# Altium PCB PCB7b.PcbDoc (part 1 of 2) (continued)
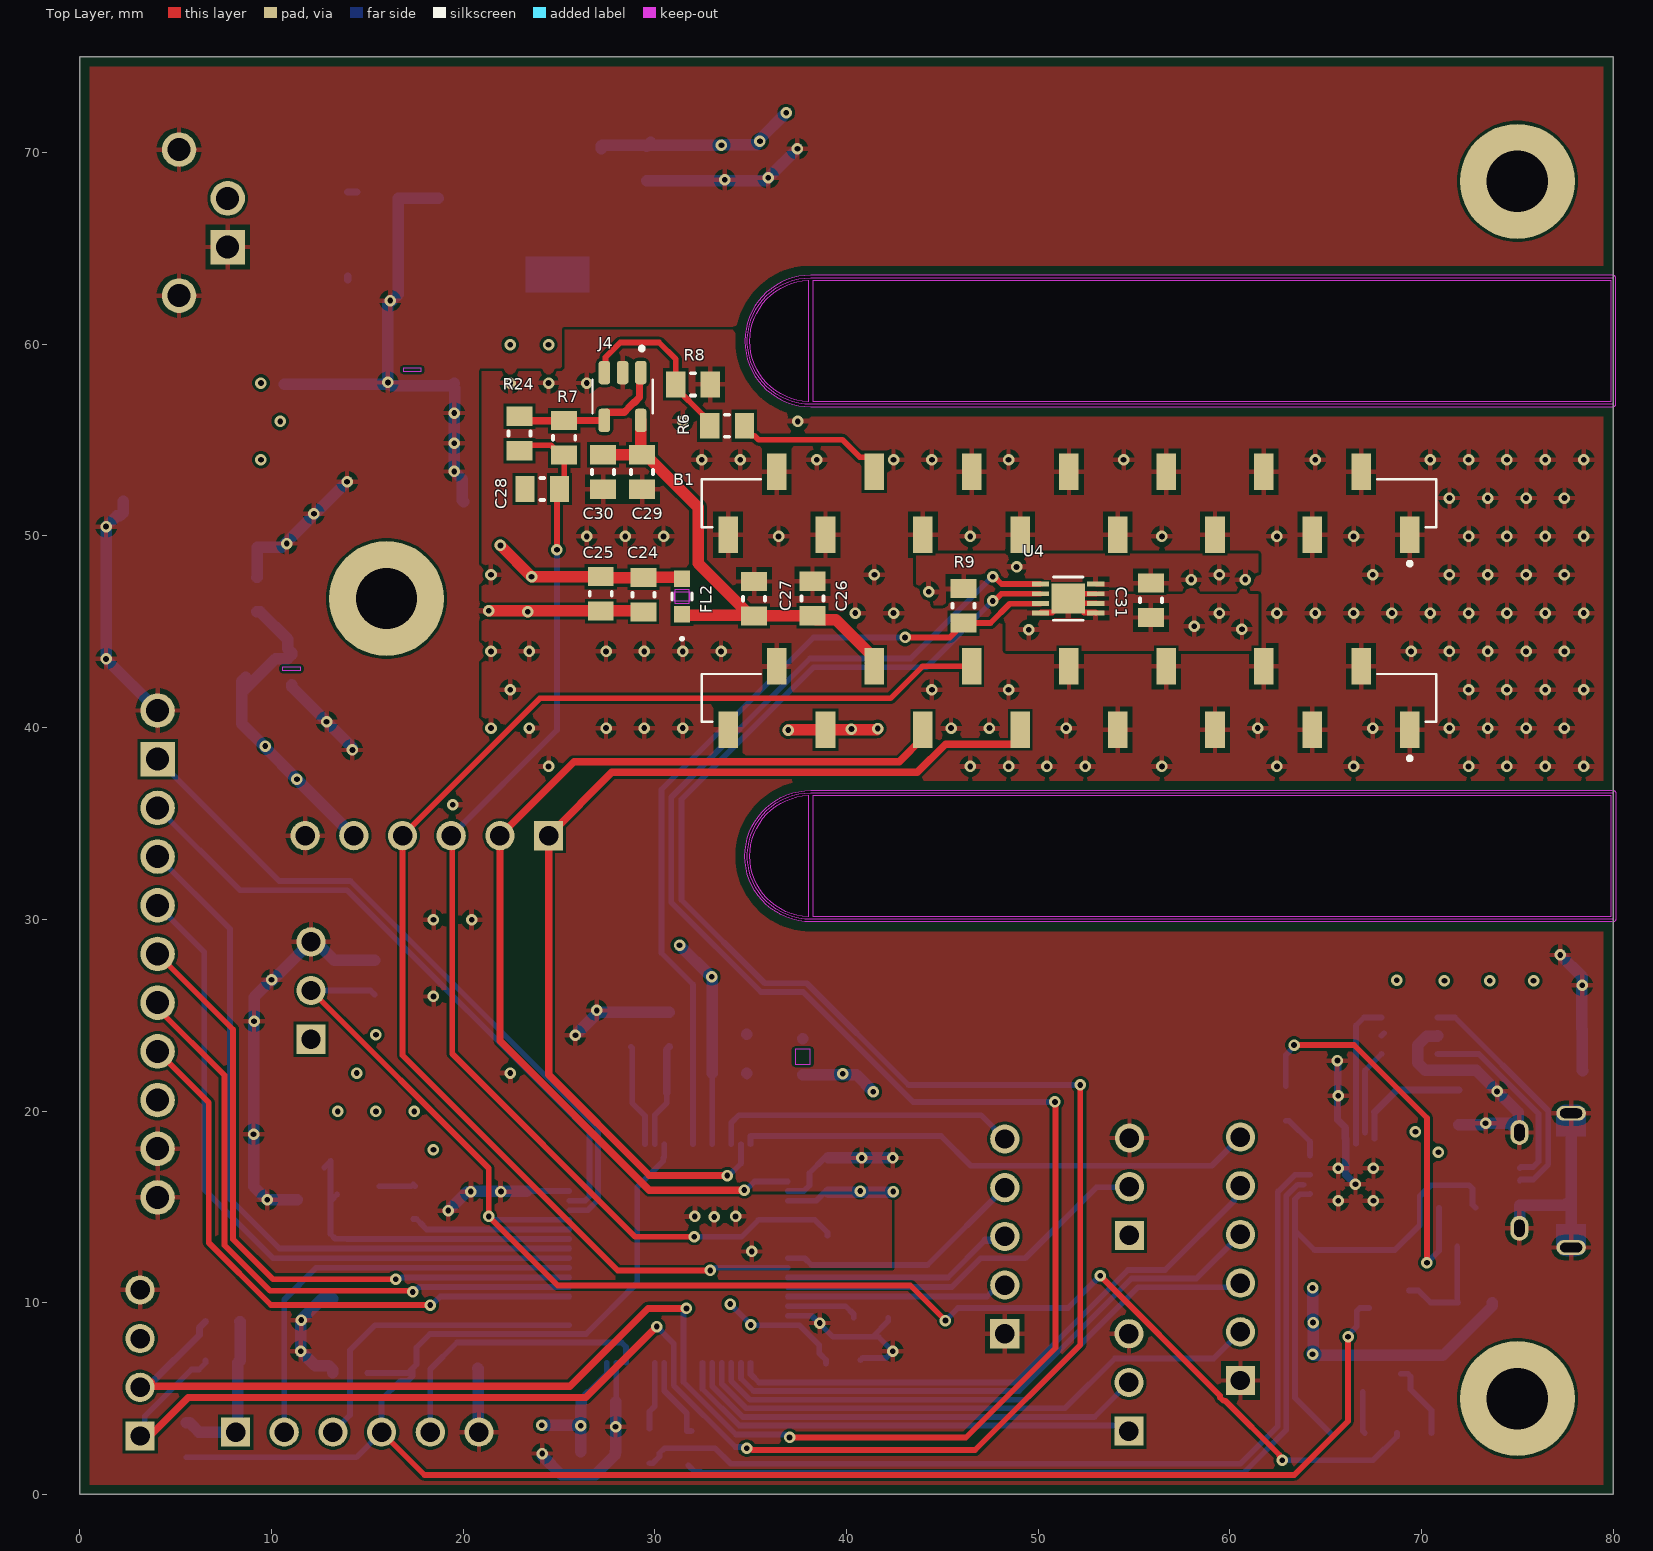
[diagram p0: Top Layer view]
## Components (designator, comment, footprint, x,y, rotation, side; value= is the part's Value field where it differs from the comment)
B1 "TCD1304DG_8Z_AW_" SOCKET-15_SMD-HARWIN_M20-7861546 51.565,46.735 r0 top locked
C1 "4.7uF" RES_0805 10.693,58.826 r270 bottom
C2 "100nF" RES_0805 12.725,58.841 r270 bottom
C3 "100pF" RES_0805 14.707,58.826 r270 bottom
C4 "10uF" RES_0805 9.271,50.343 r270 bottom
C5 "10u" CAP_0603_POL-M 11.049,43.078 r270 bottom
C6 "100n" RES_0805 9.246,46.939 r90 bottom
C7 "100n" RES_0805 29.591,69.444 r270 bottom
C8 "10uF" RES_0805 31.674,69.444 r270 bottom
C9 "22u" CAP_0805_POL 18.694,68.529 r270 bottom
C10 "10u" CAP_0603_POL-M 17.348,58.674 r270 bottom
C11 "100n" RES_0805 19.533,58.877 r270 bottom
C12 "10pF" RES_0805 28.753,24.257 r90 bottom
C13 "10pF" RES_0805 30.759,24.257 r90 bottom
C14 "100nF" RES_0805 14.095,6.338 r180 bottom
C15 "100pF not mount" RES_0805 39.903,13.487 r0 bottom
C16 "4.7uF" RES_0805 41.275,9.22 r0 bottom
C17 "4.7uF" RES_0805 27.026,2.235 r0 bottom
C18 "100nF" RES_0805 27.051,4.826 r0 bottom
C19 "100nF" RES_0805 39.827,7.01 r0 bottom
C20 "100nF" RES_0805 39.04,16.662 r90 bottom
C21 "100nF" RES_0805 23.317,16.724 r270 bottom
C22 "4.7uF" RES_0805 33.909,21.971 r180 bottom
C23 "100nF" RES_0805 33.898,24.003 r180 bottom
C24 "100n" RES_0805 29.413,46.939 r270 top
C25 "10uF" RES_0805 27.178,46.979 r270 top
C26 "10uF" RES_0805 38.227,46.736 r90 top
C27 "100nF" RES_0805 35.179,46.725 r90 top
C28 "Cext (not mount)" RES_0805 24.13,52.451 r0 top
C29 "10uF" RES_0805 29.337,53.34 r270 top
C30 "100nF" RES_0805 27.305,53.34 r270 top
C31 "100n" RES_0805 55.88,46.649 r270 top
C32 "100nF" RES_0805 12.243,15.367 r180 bottom
C33 "1u" RES_0805 77.521,22.098 r0 bottom
C34 "100n" RES_0805 77.445,24.308 r0 bottom
C35 "100n" RES_0805 71.933,20.193 r270 bottom
CR1 "USBLC6-4SC6" SOT23-6L_STM-M 69.37,23.927 r180 bottom
D1 "BAS40-7-F" SOT-23_DIO-M 12.802,67.031 r270 bottom
D2 "LED" LEDC1608X35N 15.621,16.888 r90 bottom
FL1 "BEAD" IND_1608_TDK-M 37.719,22.835 r270 bottom
FL2 "BEAD" IND_1608_TDK-M 31.42,46.838 r90 top
J1 "Phoenix2H_1706207" PHOENIX_1706207 0.942,61.515 r90 bottom
J2 "PIN_HEADER_3" GEN_PIN3 12.065,26.289 r90 bottom
J3 "PIN_HEADER_3" GEN_PIN3 54.762,16.053 r90 bottom
J4 "OPAMP" SOT95P280X145-5N 28.321,57.277 r270 top
J5 "PIN_HEADER_3" GEN_PIN3 54.737,5.842 r90 bottom
J6 "PIN_HEADER_4" GEN_PIN4 3.15,6.858 r90 bottom
J7 "PIN_HEADER_6" GEN_PIN6 60.554,12.294 r90 bottom
J8 "PIN_HEADER_6" GEN_PIN6 14.478,3.251 r0 bottom
J9 "PIN_HEADER_5" GEN_PIN5 48.26,13.462 r90 bottom
J10 "PIN_HEADER_6" GEN_PIN6 18.11,34.366 r180 bottom
J11 "Phoenix9V_1821465" PHOENIX_1821465 6.034,41.914 r270 bottom
J12 "USB-10118194-0001LF" AMPHENOL_10118194-0001LF 77.803,16.383 r270 bottom
Q3 "BC846BLT1G" SOT-23_ONS-M 71.857,13.945 r0 bottom
Q4 "BC857B-AQ" SOT95P240X120-3N 67.92,6.299 r0 bottom
R1 "0" RES_0805 8.458,43.321 r270 bottom
R2 "0" RES_0805 20.93,51.791 r180 bottom
R3 "0" RES_0805 19.787,62.535 r270 bottom
R4 "100" RES_0805 13.081,63.373 r0 bottom
R5 "220" RES_0805 16.612,68.529 r90 bottom
R6 "1k" RES_0805 33.771,55.753 r180 top
R7 "RISO (not mount)" RES_0805 25.273,55.118 r270 top
R8 "10k" RES_0805 31.993,57.912 r0 top
R9 "10k" RES_0805 46.101,46.355 r90 top
R10 "10k" RES_0805 12.192,17.399 r180 bottom
R11 "10k" RES_0805 7.457,9.017 r0 bottom
R12 "10k" RES_0805 7.468,6.985 r0 bottom
R13 "150" RES_0805 17.399,15.265 r90 bottom
R14 "100" RES_0805 29.718,2.529 r90 bottom
R15 "100" RES_0805 31.75,2.424 r270 bottom
R24 "0" RES_0805 22.936,55.347 r270 top
R32 "10k" RES_0805 15.392,26.964 r90 bottom
R33 "10k" RES_0805 5.563,2.834 r90 bottom
R34 "10k" RES_0805 72.796,10.008 r0 bottom
R35 "1k" RES_0805 62.916,20.396 r90 bottom
R36 "1k" RES_0805 66.142,3.2 r0 bottom
R37 "10k" RES_0805 69.621,3.2 r0 bottom
SW1 "RST" SW_B3U-1000P 19.075,6.579 r180 bottom
SW2 "BUTTON" SW_B3U-1000P 13.081,11.889 r90 bottom
U1 "NCV1117ST33T3G" SOT230P700X180-4N 4.572,48.92 r270 bottom
U2 "NCV1117STAT3G" SOT223-3_ONS-M 24.917,66.929 r0 bottom
U3 "STM32F446RCT6TR" QFP50P1200X1200X160-64N 31.242,12.573 r270 bottom
U4 "MCP9808T-E/MC" DFN8_2x3MC_MCH-M 51.565,46.735 r0 top locked
U5 "CP2102-GM" QFN50P500X500X100-29N 66.551,16.18 r270 bottom
U7 "MBRA340T3G" SMA_ONS 5.029,57.201 r180 bottom
U8 "BAS40-7-F" SOT-23_DIO-M 68.301,10.643 r90 bottom
X1 "CRISTAL-8M" XTALDFN320X250X100-2N 29.718,20.955 r180 bottom

## Footprints (in the part's own frame and the unit in brackets; to place one, negate y for a bottom-side part, rotate by r counter-clockwise, add the part's x,y. Pads: shape width x height; smd on the part's side, far side on the other; paste and mask are expansions set on the pad)
AMPHENOL_10118194-0001LF [mm]
  rect 0.4x1.35 smd: 1(-1.3,2.675) 2(-0.65,2.675) 3(0,2.675) 4(0.65,2.675) 5(1.3,2.675)
  oval 0.775x1.55 hole 0.5 slot 1.15 at 90 deg mask+0: SH1(-3.5,0) SH4(3.5,0)
  rect 1.5x1.55 smd: SH2(1,0) SH3(-1,0)
  oval 1.3x0.95 hole 0.55 slot 0.9 at 0 deg: SH5(-2.5,2.7) SH6(2.5,2.7)
  Top Layer region: 3.471,0.774 3.497,0.772 3.523,0.769 3.549,0.764 3.574,0.758 3.6,0.751 3.624,0.742 3.648,0.732 3.672,0.721 3.695,0.708 3.717,0.694 3.739,0.68 3.76,0.664 3.78,0.647 3.799,0.629 3.817,0.61 3.834,0.59 3.85,0.569 3.864,0.547 3.878,0.525 3.891,0.502 3.902,0.478 3.912,0.454 3.921,0.43 3.928,0.404 3.934,0.379 3.939,0.353 3.942,0.327 3.944,0.301 3.945,0.275 3.945,-0.275 3.944,-0.301 3.942,-0.327 3.939,-0.353 3.934,-0.379 3.928,-0.404 3.921,-0.43 3.912,-0.454 3.902,-0.478 3.891,-0.502 3.878,-0.525 3.864,-0.547 3.85,-0.569 3.834,-0.59 3.817,-0.61 3.799,-0.629 3.78,-0.647 3.76,-0.664 3.739,-0.68 3.717,-0.694 3.695,-0.708 3.672,-0.721 3.648,-0.732 3.624,-0.742 3.6,-0.751 3.574,-0.758 3.549,-0.764 3.523,-0.769 3.497,-0.772 3.471,-0.774 3.445,-0.775 2.3,-0.775 2.3,0.775 3.445,0.775
  Top Layer region: -2.3,-0.775 -3.445,-0.775 -3.471,-0.774 -3.497,-0.772 -3.523,-0.769 -3.549,-0.764 -3.574,-0.758 -3.6,-0.751 -3.624,-0.742 -3.648,-0.732 -3.672,-0.721 -3.695,-0.708 -3.717,-0.694 -3.739,-0.68 -3.76,-0.664 -3.78,-0.647 -3.799,-0.629 -3.817,-0.61 -3.834,-0.59 -3.85,-0.569 -3.864,-0.547 -3.878,-0.525 -3.891,-0.502 -3.902,-0.478 -3.912,-0.454 -3.921,-0.43 -3.928,-0.404 -3.934,-0.379 -3.939,-0.353 -3.942,-0.327 -3.944,-0.301 -3.945,-0.275 -3.945,0.275 -3.944,0.301 -3.942,0.327 -3.939,0.353 -3.934,0.379 -3.928,0.404 -3.921,0.43 -3.912,0.454 -3.902,0.478 -3.891,0.502 -3.878,0.525 -3.864,0.547 -3.85,0.569 -3.834,0.59 -3.817,0.61 -3.799,0.629 -3.78,0.647 -3.76,0.664 -3.739,0.68 -3.717,0.694 -3.695,0.708 -3.672,0.721 -3.648,0.732 -3.624,0.742 -3.6,0.751 -3.574,0.758 -3.549,0.764 -3.523,0.769 -3.497,0.772 -3.471,0.774 -3.445,0.775 -2.3,0.775
  silkscreen extent -3.7,-1.45 3.7,4.1, body extent -4.02,-2.68 4.02,2.85, height 2.67
CAP_0603_POL-M [mm]
  rect 1.209x1.001 smd paste+0 mask+0: 1(-0.829,0) 2(0.829,0)
  Top Layer keep-out region: -0.075,-0.424 -0.075,0.424 0.075,0.424 0.075,-0.424
  Keep-Out Layer region: -0.075,-0.475 -0.075,0.475 0.075,0.475 0.075,-0.475
  body extent -0.87,-0.48 0.87,0.48, height 0.87
CAP_0805_POL [mm] "Chip Resistor, 2-Leads, Body 2.00x1.25mm, IPC Medium Density"
  rect 1x1.35 smd: 1(-0.9,0) 2(0.9,0)
  silkscreen extent -0.1,-0.58 0.1,0.58, body extent -1.05,-0.67 1.05,0.67, height 0.6
DFN8_2x3MC_MCH-M [mm]
  rect 0.908x0.255 smd paste+0 mask+0: 1(-1.445,0.75) 2(-1.445,0.25) 3(-1.445,-0.25) 4(-1.445,-0.75) 5(1.445,-0.75) 6(1.445,-0.25) 7(1.445,0.25) 8(1.445,0.75)
  rect 1.753x1.549 smd paste+0 mask+0: 9(0,0)
  silkscreen extent -0.77,-1.13 0.77,1.13, body extent -1.5,-1 1.5,1, height 0.94
GEN_PIN3 [mil] "Generic 40 mils drill size, 100 mils step"
  rect 60x60 / inner round 60 / far side rect 60x60 hole 40: 01(-100,0)
  round 60 hole 40: 02(0,0) 03(100,0)
  silkscreen extent -180,-50 150,50, body extent -150,-50 150,50, height 337
GEN_PIN4 [mil] "Generic 40 mils drill size, 100 mils step"
  rect 60x60 hole 40: 01(-150,0)
  round 60 hole 40: 02(-50,0) 03(50,0) 04(150,0)
  silkscreen extent -230,-50 200,50, body extent -200,-50 200,50, height 337
GEN_PIN5 [mil] "Generic 40 mils drill size, 100 mils step"
  rect 60x60 hole 40: 01(-200,0)
  round 60 hole 40: 02(-100,0) 03(0,0) 04(100,0) 05(200,0)
  silkscreen extent -280,-50 250,50, body extent -250,-50 250,50, height 337
GEN_PIN6 [mil] "Generic 40 mils drill size, 100 mils step"
  rect 60x60 / inner round 60 / far side rect 60x60 hole 40: 01(-250,0)
  round 60 hole 40: 02(-150,0) 03(-50,0) 04(50,0) 05(150,0) 06(250,0)
  silkscreen extent -330,-50 300,50, body extent -300,-50 300,50, height 337
IND_1608_TDK-M [mm]
  rect 0.859x0.851 smd paste+0 mask+0: 1(-0.929,0) 2(0.929,0)
  Top Layer keep-out region: -0.381,-0.349 -0.381,0.349 0.381,0.349 0.381,-0.349
  Keep-Out Layer region: -0.381,-0.4 -0.381,0.4 0.381,0.4 0.381,-0.4
  silkscreen extent -2.27,-0.53 0.18,0.53, body extent -0.8,-0.4 0.8,0.4, height 0.8
LEDC1608X35N [mm]
  rect 0.81x0.93 smd: A(0.81,0) C(-0.81,0)
  silkscreen extent -2.1,-0.45 0.09,0.45, body extent -0.8,-0.4 0.8,0.4, height 0.8
PHOENIX_1706207 [mm]
  rect 1.8x1.8 / inner round 1.8 / far side rect 1.8x1.8 hole 1.2: 1(3.56,6.78)
  round 1.8 hole 1.2: 2(6.1,6.78) MH1(1.02,4.24) MH2(8.64,4.24)
  silkscreen extent 0,0 9.66,8.35, body extent 0.04,0 9.71,7.38, height 4.85
PHOENIX_1821465 [mm]
  rect 1.8x1.8 / inner round 1.8 / far side rect 1.8x1.8 hole 1.2: 1(3.56,1.97)
  round 1.8 hole 1.2: 2(6.1,1.97) 3(8.64,1.97) 4(11.18,1.97) 5(13.72,1.97) 6(16.26,1.97) 7(18.8,1.97) 8(21.34,1.97) 9(23.88,1.97) MH1(1.02,1.97) MH2(26.42,1.97)
  silkscreen extent -0.75,0 27.44,4.85, body extent 0.05,-0.03 27.5,4.82, height 7.1
QFN50P500X500X100-29N [mm]
  rrect50% 0.97x0.26 smd: 1(-2.37,1.5) 2(-2.37,1) 3(-2.37,0.5) 4(-2.37,0) 5(-2.37,-0.5) 6(-2.37,-1) 7(-2.37,-1.5) 15(2.37,-1.5) 16(2.37,-1) 17(2.37,-0.5) 18(2.37,0) 19(2.37,0.5) 20(2.37,1) 21(2.37,1.5)
  rrect50% 0.26x0.97 smd: 8(-1.5,-2.37) 9(-1,-2.37) 10(-0.5,-2.37) 11(0,-2.37) 12(0.5,-2.37) 13(1,-2.37) 14(1.5,-2.37) 22(1.5,2.37) 23(1,2.37) 24(0.5,2.37) 25(0,2.37) 26(-0.5,2.37) 27(-1,2.37) 28(-1.5,2.37)
  rect 3.15x3.15 smd paste-0.585: 29(0,0)
  silkscreen extent -3.4,-2.5 2.5,2.5, body extent -2.5,-2.5 2.5,2.5, height 1
QFP50P1200X1200X160-64N [mm]
  rect 1.5x0.3 smd: 1(-5.7,3.75) 2(-5.7,3.25) 3(-5.7,2.75) 4(-5.7,2.25) 5(-5.7,1.75) 6(-5.7,1.25) 7(-5.7,0.75) 8(-5.7,0.25) 9(-5.7,-0.25) 10(-5.7,-0.75) 11(-5.7,-1.25) 12(-5.7,-1.75) 13(-5.7,-2.25) 14(-5.7,-2.75) 15(-5.7,-3.25) 16(-5.7,-3.75) 33(5.7,-3.75) 34(5.7,-3.25) 35(5.7,-2.75) 36(5.7,-2.25) 37(5.7,-1.75) 38(5.7,-1.25) 39(5.7,-0.75) 40(5.7,-0.25) 41(5.7,0.25) 42(5.7,0.75) 43(5.7,1.25) 44(5.7,1.75) 45(5.7,2.25) 46(5.7,2.75) 47(5.7,3.25) 48(5.7,3.75)
  rect 0.3x1.5 smd: 17(-3.75,-5.7) 18(-3.25,-5.7) 19(-2.75,-5.7) 20(-2.25,-5.7) 21(-1.75,-5.7) 22(-1.25,-5.7) 23(-0.75,-5.7) 24(-0.25,-5.7) 25(0.25,-5.7) 26(0.75,-5.7) 27(1.25,-5.7) 28(1.75,-5.7) 29(2.25,-5.7) 30(2.75,-5.7) 31(3.25,-5.7) 32(3.75,-5.7) 49(3.75,5.7) 50(3.25,5.7) 51(2.75,5.7) 52(2.25,5.7) 53(1.75,5.7) 54(1.25,5.7) 55(0.75,5.7) 56(0.25,5.7) 57(-0.25,5.7) 58(-0.75,5.7) 59(-1.25,5.7) 60(-1.75,5.7) 61(-2.25,5.7) 62(-2.75,5.7) 63(-3.25,5.7) 64(-3.75,5.7)
  silkscreen extent -6.08,-4.6 4.6,4.88, body extent -6,-6 6,6, height 1.6
RES_0805 [mm] "Chip Resistor, 2-Leads, Body 2.00x1.25mm, IPC Medium Density"
  rect 1x1.35 smd: 1(-0.9,0) 2(0.9,0)
  silkscreen extent -0.1,-0.58 0.1,0.58, body extent -1.05,-0.67 1.05,0.67, height 0.6
SMA_ONS [mil]
  rect 79x79 smd paste+0 mask+0: 1(-78.5,0) 2(78.5,0)
  Top Layer keep-out region: -31.5,-41.5 -31.5,41.5 30.51,41.5 30.51,-41.5
  Top Layer keep-out region: -39.37,-55.5 -39.37,-47.24 39.37,-47.24 39.37,-55.5
  Top Layer keep-out region: -39.37,46.26 -39.37,55.5 39.37,55.5 39.37,46.26
  silkscreen extent -180,-63 95,63, body extent -90,-57 90,57, height 97
SOCKET-15_SMD-HARWIN_M20-7861546 [mm]
  rect 1.02x1.9 smd: 1(-12.659,-6.837) 2(-10.119,-3.537) 3(-7.579,-6.837) 4(-5.039,-3.537) 5(-2.499,-6.837) 6(0.041,-3.537) 7(2.581,-6.837) 8(5.121,-3.537) 9(7.661,-6.837) 10(10.201,-3.537) 11(12.741,-6.837) 12(12.741,3.323) 13(10.201,6.623) 14(7.661,3.323) 15(5.121,6.623) 16(2.581,3.323) 17(0.041,6.623) 18(-2.499,3.323) 19(-5.039,6.623) 20(-7.579,3.323) 21(-10.119,6.623) 22(-12.659,3.323) G1(-17.739,-6.837) G2(-15.199,-3.537) G3(15.281,-3.537) G4(17.821,-6.837) G5(17.821,3.323) G6(15.281,6.623) G7(-15.199,6.623) G8(-17.739,3.323)
  silkscreen extent -19.11,-8.44 19.19,6.22, body extent -20.8,-7.08 20.8,7.08, height 11.34
SOT23-6L_STM-M [mm]
  rect 1.172x0.558 smd paste+0 mask+0: 1(-1.462,0.95) 2(-1.462,0) 3(-1.462,-0.95) 4(1.462,-0.95) 5(1.462,0) 6(1.462,0.95)
  silkscreen extent -1,-1.65 1,1.65, body extent -1.5,-1.52 1.5,1.52, height 1.45
SOT95P240X120-3N [mm]
  rect 1.34x0.6 smd paste+0 mask+0.102: 1(-0.99,0.95) 2(-0.98,-0.95) 3(0.99,0)
  silkscreen extent -2.39,-1.45 0.65,1.45
SOT95P280X145-5N [mm]
  rrect50% 1.22x0.6 smd: 1(-1.245,0.95) 2(-1.245,0) 3(-1.245,-0.95) 4(1.245,-0.95) 5(1.245,0.95)
  silkscreen extent -2.6,-1.57 0.88,1.57, body extent -1.35,-1.45 1.35,1.45, height 1.45
SOT223-3_ONS-M [mil]
  rect 26x73 smd paste+0 mask+0: 1(-90.5,-129) 2(0,-129) 3(90.5,-129)
  round 1 smd: 4(0,129)
  Top Layer region: 65,92.5 65,165.5 -65,165.5 -65,92.5
  silkscreen extent -186,-148 136,78, body extent -131,-144 131,144, height 68
SOT230P700X180-4N [mm]
  rect 2.15x0.95 smd paste+0 mask+0.102: 1(-2.9,2.3) 2(-2.9,0) 3(-2.9,-2.3)
  rect 2.15x3.25 smd paste+0 mask+0.102: 4(2.9,0)
  silkscreen extent -4.7,-3.25 1.75,3.25, body extent -3.5,-3.25 3.5,3.25, height 1.8
SOT-23_DIO-M [mil]
  rect 24x62 smd paste+0 mask+0: 1(-36.02,-41) 2(36.02,-41) 3(0,41)
  silkscreen extent -64,-105 64,33, body extent -59,-50 59,50, height 45
SOT-23_ONS-M [mil]
  rect 24x68 smd paste+0 mask+0: 1(-37.5,-40) 2(37.5,-40) 3(0,40)
  silkscreen extent -115,-57 65,32, body extent -60,-52 60,52, height 44
SW_B3U-1000P [mm]
  rect 0.8x1.7 smd: 1(-1.7,0) 2(1.7,0)
  silkscreen extent -2.8,-1.25 1.5,1.25, body extent -2.03,-1.25 1.97,1.25, height 1.75
XTALDFN320X250X100-2N [mm]
  rect 1.37x2.43 smd: 1(-0.9,0) 2(0.9,0)
  silkscreen extent -2.69,-0.1 -2.49,0.1, body extent -1.6,-1.25 1.6,1.25, height 1

## Part data
B1: "Image Sensors & Color Sensors CCD Linear Sensor 3648 8x20 54mm", Manufacturer_Name=Toshiba, Manufacturer_Part_Number=TCD1304DG(8Z,AW), Mouser Part Number=757-TCD1304DG8ZAW, Datasheet Link=https://datasheet.datasheetarchive.com/originals/distributors/DKDS-29/569259.pdf, Geometry.Height=3.72mm, Mouser Price/Stock=https://www.mouser.co.uk/ProductDetail/Toshiba/TCD1304DG8ZAW?qs=OLJpxlzHOSRVMcyirxbASw%3D%3D
C1 C16 C17 C22: library part CAP_0805, "Samsung CL21B475KOFNNNE"
C2 C6 C7 C11 C14 C18 C19 C20 C21 C23 C24 C27 C30 C31 C32 C34 C35: library part CAP_0805, "Kemet C0805C104K3RAC7800"
C3 C15: library part CAP_0805, "Kemet C0805C101J5GACTU"
C4 C8 C25 C26 C29: library part CAP_0805, "Samsung CL21B106KOQNNNE"
C5 C10: library part CAP_0603_POL, "KYOCERA AVX F381A106MMA"
C9: library part CAP_0805_POL, "Kyocera AVX F951A226MPAAQ2"
C12 C13: library part CAP_0805, "Kemet C0805C100J5GACTU"
C28: library part CAP_0805, "Generic Capacitor"
C33: library part CAP_0805, "Yageo CC0805KKX7R7BB105"
CR1: "Very low capacitance ESD protection", Manufacturer_Name=STMicroelectronics, Copyright="Copyright (C) 2025 Ultra Librarian. All rights reserved.", Manufacturer_Part_Number=USBLC6-4SC6, RefDes=RefDes, Type=Type
D1 U8: library part DIODE-BAS40-7-F, "Description", Manufacturer_Name="Diodes Inc", Copyright="Copyright (C) 2025 Ultra Librarian. All rights reserved.", Manufacturer_Part_Number=BAS40-7-F, RefDes=RefDes, Type="Diodes - Rectifiers, Single"
D2: library part LED-LTST-C190KRKT, "Red 631nm LED Indication - Discrete 2V 0603 (1608 Metric)", Package="0603 Lite-On", Availability="In Stock", Check_prices=https://www.snapeda.com/parts/LTST-C190KRKT/Lite-On+Inc./view-part/?ref=eda, MF="Lite-On Inc.", MP=LTST-C190KRKT, Price=None, Purchase-URL=https://pricing.snapeda.com/search/part/LTST-C190KRKT/?ref=eda, SnapEDA_Link=https://www.snapeda.com/parts/LTST-C190KRKT/Lite-On+Inc./view-part/?ref=snap
FL1 FL2: library part MMZ1608B601CTAH0, "INDUCTOR; SMT (0603); FERRITE-BEAD; 600; TOL=+/-25%; 0.5A; -55 DEGC TO +125 DEGC", Manufacturer_Name=TDK, Copyright="Copyright (C) 2025 Ultra Librarian. All rights reserved.", Manufacturer_Part_Number=MMZ1608B601CTAH0
J1 J11 Q4: Package=None, Availability=Unavailable, Price=None
  J1: MP=1706207
  J11: MF="{'manufacturer': u'Phoenix Contact'}", MP=1821465
  Q4: MF="{'manufacturer': u'Diotec Semiconductor'}", MP=BC857B-AQ
J2 J3 J5 J6 J7 J8 J9 J10: "Generic 40 mils drill size, 100 mils step", Package=None, MF="Samtec Inc."
  J2 J3 J5: Check_prices=https://www.snapeda.com/parts/TS-103-T-A/Samtec+Inc./view-part/?ref=eda, MP=TS-103-T-A, SnapEDA_Link=https://www.snapeda.com/parts/TS-103-T-A/Samtec+Inc./view-part/?ref=snap
  J6: Availability="In Stock", Check_prices=https://www.snapeda.com/parts/TS-104-T-A/Samtec+Inc./view-part/?ref=eda, MP=TS-104-T-A, Price=None, Purchase-URL=https://pricing.snapeda.com/search/part/TS-104-T-A/?ref=eda, SnapEDA_Link=https://www.snapeda.com/parts/TS-104-T-A/Samtec+Inc./view-part/?ref=snap
  J7 J8 J10: Check_prices=https://www.snapeda.com/parts/TS-106-T-A/Samtec+Inc./view-part/?ref=eda, MP=TS-106-T-A, SnapEDA_Link=https://www.snapeda.com/parts/TS-106-T-A/Samtec+Inc./view-part/?ref=snap
  J9: Availability="In Stock", Check_prices=https://www.snapeda.com/parts/TS-105-T-A/Samtec+Inc./view-part/?ref=eda, MP=TS-105-T-A, Price=None, Purchase-URL=https://pricing.snapeda.com/search/part/TS-105-T-A/?ref=eda, SnapEDA_Link=https://www.snapeda.com/parts/TS-105-T-A/Samtec+Inc./view-part/?ref=snap
J4: library part OPAMP-MCP6001UT-E/OT, "Microchip MCP6001UT-E/OT Op Amp, 1MHz Rail-Rail, 1.8 - 6 V, 5-Pin SOT-23", Package="SOT-23 Microchip", Check_prices=https://www.snapeda.com/parts/MCP6001UT-E/OT/Microchip/view-part/?ref=eda, MF=Microchip, MP=MCP6001UT-E/OT, SnapEDA_Link=https://www.snapeda.com/parts/MCP6001UT-E/OT/Microchip/view-part/?ref=snap
J12: "Micro USB, Input Output Connectors, B TYPE RECEPTACLE with flange", Package=None, Check_prices=https://www.snapeda.com/parts/10118194-0001LF/Amphenol+FCI/view-part/?ref=eda, MF="Amphenol ICC", MP=10118194-0001LF, SnapEDA_Link=https://www.snapeda.com/parts/10118194-0001LF/Amphenol+FCI/view-part/?ref=snap
Q3 U2 U7: "Description", Manufacturer_Name=onsemi, Copyright="Copyright (C) 2025 Ultra Librarian. All rights reserved.", RefDes=RefDes, Type=Type
  Q3: Manufacturer_Part_Number=BC846BLT1G
  U2: Manufacturer_Part_Number=NCV1117STAT3G
  U7: Manufacturer_Part_Number=MBRA340T3G
R1 R2 R3 R4 R5 R6 R7 R8 R9 R10 R11 R12 R13 R14 R15 R24 R32 R33 R34 R35 R36 R37: library part RES_0805, "Generic Capacitor"
SW1 SW2: library part SW-B3U-1000P, "Switch Tactile N.O. SPST Round Button Gull Wing 0.05A 12VDC 1.5N SMD Embossed T/R", Package=None, Availability=Unavailable, MP=B3U-1000P, Price=None
U1: library part REG3_3-NCV1117ST33T3G, "Linear Voltage Regulator IC Positive Fixed 1 Output 1A SOT-223", Package="SOT-223-4 ON Semiconductor", Check_prices=https://www.snapeda.com/parts/NCV1117ST33T3G/Onsemi/view-part/?ref=eda, MF="ON Semiconductor", MP=NCV1117ST33T3G, SnapEDA_Link=https://www.snapeda.com/parts/NCV1117ST33T3G/Onsemi/view-part/?ref=snap
U3: "ARM® Cortex®-M4 STM32F4 Microcontroller IC 32-Bit Single-Core 180MHz 256KB (256K x 8) FLASH 64-LQFP (10x10)", Package="LQFP-64 STMicroelectronics", Check_prices=https://www.snapeda.com/parts/STM32F446RCT6TR/STMicroelectronics/view-part/?ref=eda, MF=STMicroelectronics, MP=STM32F446RCT6TR, SnapEDA_Link=https://www.snapeda.com/parts/STM32F446RCT6TR/STMicroelectronics/view-part/?ref=snap
U4: library part MCP9808T-EMC, "Description", Manufacturer_Name=Microchip, Copyright="Copyright (C) 2026 Ultra Librarian. All rights reserved.", Manufacturer_Part_Number=MCP9808T-E/MC, RefDes=RefDes, Type=Type
U5: "USB Bridge, USB to UART USB 2.0 UART Interface 28-QFN (5x5)", Package="QFN-28 Silicon Labs", Check_prices=https://www.snapeda.com/parts/CP2102-GM/Silicon+Labs/view-part/?ref=eda, MF="Silicon Labs", MP=CP2102-GM, SnapEDA_Link=https://www.snapeda.com/parts/CP2102-GM/Silicon+Labs/view-part/?ref=snap
X1: library part CRISTAL-CG04874-8M, "8 MHz ±20ppm Crystal 8pF 500 Ohms 2-SMD, No Lead", Package="SMD-2 NDK America,", Check_prices=https://www.snapeda.com/parts/CG04874-8M/NDK+America%252C+Inc./view-part/?ref=eda, MF="NDK America, Inc.", MP=CG04874-8M, SnapEDA_Link=https://www.snapeda.com/parts/CG04874-8M/NDK+America%252C+Inc./view-part/?ref=snap

## Free pads (board coordinates)
  round 6 hole 3.2 unplated mask+0.3: H(16,46.735) H(75,5) H(75,68.5)

## Via types
v1: diameter 0.6, hole 0.3, Top Layer to Bottom Layer, 223 vias

## Nets (pads, with @x,y where several pads share a name; then routed paths per layer and width w, separated by ;. In a path a pad name is that pad's centre, name@x,y a point inside that pad or via, vN(x,y) a via of type N, cw(c..) or ccw(c..) an arc to the next point about the centre after c; other vN are vias at no path point)
AGND: B1.6 B1.7 B1.8 B1.9 B1.10 B1.11 B1.12 B1.13 B1.14 B1.15 B1.16 B1.17 B1.18 B1.19 B1.20 B1.22 B1.G1 B1.G2 B1.G3 B1.G4 B1.G5 B1.G6 B1.G7 B1.G8 C15.2 C22.2 C23.2 C26.2 C27.2 C29.2 C30.2 J4.2 R2.1 R8.2 U3.12 U3.20 U3.22 | length 11.1
  Bottom Layer w0.3: U3.12@32.992,18.273 32.992,21.954 C22.2@33.009,21.971
  Bottom Layer w0.6: v1(31.293,28.651) 32.944,27 v1(32.969,27) 33.009,26.96 C22.2@33.009,21.971
  other v1: 35.052,12.675 33.096,14.478 32.08,14.503 34.214,14.503 22.455,21.979 18.455,25.979 18.455,29.979 20.455,29.979 19.455,35.979 24.455,37.979 46.455,37.979 48.455,37.979 50.455,37.979 52.455,37.979 56.455,37.979 62.455,37.979 66.455,37.979 72.455,37.979 74.455,37.979 76.455,37.979 78.455,37.979 21.455,39.979 23.455,39.979 27.455,39.979 29.455,39.979 31.455,39.979 45.455,39.979 47.455,39.979 51.455,39.979 61.455,39.979 67.455,39.979 71.455,39.979 73.455,39.979 75.455,39.979 77.455,39.979 22.455,41.979 44.455,41.979 48.455,41.979 72.455,41.979 74.455,41.979 76.455,41.979 78.455,41.979 21.455,43.979 23.455,43.979 27.455,43.979 29.455,43.979 31.455,43.979 33.455,43.979 69.455,43.979 71.455,43.979 73.455,43.979 75.455,43.979 77.455,43.979 40.455,45.979 42.455,45.979 62.455,45.979 64.455,45.979 66.455,45.979 68.455,45.979 70.455,45.979 72.455,45.979 74.455,45.979 76.455,45.979 78.455,45.979 21.455,47.979 41.455,47.979 67.455,47.979 71.455,47.979 73.455,47.979 75.455,47.979 77.455,47.979 26.455,49.979 28.455,49.979 30.455,49.979 36.455,49.979 46.455,49.979 56.455,49.979 62.455,49.979 66.455,49.979 72.455,49.979 74.455,49.979 76.455,49.979 78.455,49.979 71.455,51.979 73.455,51.979 75.455,51.979 77.455,51.979 32.455,53.979 34.455,53.979 38.455,53.979 42.455,53.979 44.455,53.979 48.455,53.979 54.455,53.979 64.455,53.979 70.455,53.979 72.455,53.979 74.455,53.979 76.455,53.979 78.455,53.979 31.455,55.979 37.455,55.979 22.455,57.979 24.455,57.979 26.455,57.979
B_DIR: 
B_NENBL1: 
B_NENBL2: 
B_NSLP1: 
B_NSLP2: 
B_PELCTRL: 
B_STEP: 
BOOT1: J3.02 U3.28 | length 20
  Bottom Layer w0.3: U3.28@36.942,10.823 45.494,10.823 46.99,12.319 49.327,12.319 53.035,16.027 J3.02@54.762,16.027
DTR_USB: R35.1 U5.28 | length 2.4
  Bottom Layer w0.3: R35.1@62.916,19.496 63.091,19.496 64.181,18.406 U5.28@64.181,17.68
GND: C1.2 C2.2 C3.2 C4.2 C5.2 C6.2 C7.2 C8.2 C9.2 C10.2 C11.2 C12.2 C13.2 C14.2 C16.2 C17.2 C18.2 C19.2 C20.2 C21.2 C24.2 C25.2 C31.2 C32.2 C33.2 C34.2 C35.2 CR1.2 J1.1 J1.MH1 J1.MH2 J2.03 J3.03 J5.03 J6.04 J7.01 J8.06 J9.01 J10.06 J11.9 J11.MH1 J11.MH2 J12.5 J12.SH1 J12.SH2 J12.SH3 J12.SH4 J12.SH5 J12.SH6 R2.2 R5.1 R32.2 SW1.1 SW2.1 U1.1 U3.18 U3.31 U3.47 U3.63 U4.4 U4.5 U4.6 U4.7 U4.9 U5.3 U5.29 | length 180.1
  Top Layer w0.3: v1(49.505,45.11) v1@49.562,45.168 ; U4.4@50.143,46.008 50.736,46.008 51.463,46.735 U4.9@51.565,46.735 ; U4.5@53.01,45.985 52.987,46.008 52.394,46.008 U4.9@51.917,46.485 ; U4.6@53.01,46.485 U4.9@51.917,46.485 ; U4.7@53.01,46.985 51.815,46.985 U4.9@51.565,46.735 ; C31.2@55.88,45.749 C31.2@55.915,45.784 ; U4.9@51.565,46.735 U4.9@51.69,46.61 ; U4.9@51.69,46.61 51.792,46.61 U4.9@51.917,46.485 ; U4.9@51.69,46.61 51.815,46.485 U4.9@51.917,46.485
  Top Layer w0.6: v1(21.343,46.095) 23.324,46.095 v1(23.368,46.05) 23.408,46.09 C24.2@29.337,46.09 ; C31.2@55.858,45.771 C31.2@55.88,45.749
  Bottom Layer w0.3: C21.2@23.317,15.824 23.318,15.823 U3.63@25.542,15.823 ; C18.2@27.951,4.826 27.992,4.867 U3.47@27.992,6.873 ; U3.31@36.942,9.323 38.19,9.323 39.294,8.22 41.35,8.22 ; U3.18@36.942,15.823 37.766,15.823 38.065,16.122 38.065,16.762 38.865,17.562 C20.2@39.04,17.562 ; C19.2@40.727,7.01 40.834,7.118 42.068,7.118 v1(42.418,7.468) ; C16.2@42.175,9.22 42.175,9.045 41.35,8.22 ; v1@42.35,7.535 41.666,8.22 41.35,8.22 ; C34.2@78.345,24.308 C34.2@78.395,24.359
  Bottom Layer w0.381: v1@65.611,20.803 65.63,20.822 65.63,22.612 v1(65.611,22.631) ; v1(65.649,20.803) 65.611,20.764 65.611,19.548 66.021,19.138 66.021,18.579 U5.3@66.051,18.55 66.051,16.68 v1(66.551,16.18)
  Bottom Layer w0.6: U1.1@2.272,51.82 2.272,51.22 2.097,51.045 1.926,51.045 v1(1.372,50.491) v1(1.372,43.586) J11.MH1@4.064,40.894 ; C6.2@9.246,47.839 9.258,47.852 9.258,49.405 9.271,49.417 10.53,49.417 v1(13.945,52.832) ; v1(10.008,26.848) 9.093,25.933 v1(9.093,24.689) 9.068,24.663 v1(9.068,18.796) 9.068,16.078 v1(9.779,15.367) C32.2@11.343,15.367 ; v1@10.046,26.81 J2.03@12.065,28.829 12.315,28.829 13.28,27.864 R32.2@15.392,27.864 ; C1.2@10.668,57.912 C1.2@10.673,57.907 ; C1.2@10.693,57.926 C3.2@14.707,57.926 ; C5.2@11.049,42.249 11.049,42.145 12.878,40.316 v1(12.878,40.31) 14.224,38.964 v1(14.224,38.837) ; C14.2@13.208,6.338 13.208,6.501 12.995,6.713 12.286,6.713 v1(11.532,7.468) 11.532,9.068 v1(11.557,9.093) 11.557,9.115 12.653,10.211 SW2.1@13.208,10.211 ; C3.2@14.712,57.921 C3.2@14.707,57.926 ; C9.2@18.694,67.629 R5.1@16.612,67.629 16.612,62.6 16.292,62.281 v1(16.205,62.281) 16.078,62.154 v1(16.078,58.008) ; v1(19.228,14.808) 20.218,15.799 v1(20.396,15.799) 20.422,15.824 C21.2@23.317,15.824 ; v1@19.533,56.312 v1(19.533,54.839) v1(19.533,53.365) 19.945,52.953 19.945,51.876 R2.2@20.03,51.791 ; v1(19.533,56.413) 19.558,56.439 C11.2@19.558,57.709 ; C11.2@19.533,57.977 19.4,57.845 C10.2@17.348,57.845 16.242,57.845 v1(16.078,58.008) ; SW1.1@20.775,6.579 20.802,6.552 20.802,3.277 J8.06@20.828,3.251 ; v1(24.13,2.134) 24.13,2.02 25.134,1.016 26.881,1.016 27.926,2.06 C17.2@27.926,2.235 ; v1(25.857,23.952) 26.975,25.07 v1(26.975,25.248) 27.065,25.157 C12.2@28.753,25.157 C13.2@30.759,25.157 ; C17.2@27.951,2.235 v1(27.951,3.531) C18.2@27.951,4.826 ; C7.2@29.591,68.544 C8.2@31.674,68.544 35.778,68.544 v1(35.916,68.682) v1(37.44,70.206) ; C20.2@39.04,17.562 42.407,17.562 v1(42.418,17.551) ; CR1.2@70.833,23.927 70.812,23.906 70.26,23.906 69.797,23.442 69.797,22.511 70.189,22.119 72.848,22.119 75.036,19.931 J12.SH5@75.036,19.03 ; C35.2@71.933,19.293 73.266,19.293 v1(73.342,19.369) 74.617,19.369 74.861,19.125 74.942,19.125 J12.SH5@75.036,19.03 ; J12.SH6@75.103,13.883 75.116,13.895 75.116,15.07 J12.5@75.128,15.083 77.503,15.083 J12.SH2@77.803,15.383 ; v1(77.241,28.143) 78.384,27 v1(78.384,26.568) 78.345,26.529 C34.2@78.345,24.308 78.383,24.27 78.383,22.136 C33.2@78.421,22.098 ; J12.SH4@77.803,12.883 J12.SH2@77.803,15.383 ; J12.SH1@77.803,19.883 J12.SH3@77.803,17.383 J12.SH2@77.803,15.383 ; C3.2@14.707,57.926 15.997,57.926 v1(16.078,58.008) ; J12.SH5@75.036,19.03 75.036,18.95 J12.SH5@75.103,18.883 75.103,18.963 J12.SH5@75.036,19.03
  other v1: 38.608,8.941 65.649,15.316 67.491,15.316 21.971,15.799 65.649,17.018 67.491,17.018 40.792,17.551 73.942,21.025 60.63,45.136 58.141,45.288 59.455,45.979 10.795,49.606 12.217,51.156 33.655,68.58
GND2: 
NetB1_3: B1.3 J10.02 U3.17 | length 53.7
  Top Layer w0.381: v1(34.671,15.875) 29.718,15.875 21.92,23.673 J10.02@21.92,34.366 25.781,38.227 42.754,38.227 43.986,39.458 B1.3@43.986,39.898
  Bottom Layer w0.3: v1(34.671,15.875) 34.752,15.875 35.2,16.323 U3.17@36.942,16.323
NetB1_4: B1.4 J10.04 U3.26 | length 69.6
  Top Layer w0.3: v1(32.893,11.684) 28.067,11.684 16.84,22.911 J10.04@16.84,34.366 24.003,41.529 42.291,41.529 43.96,43.198 B1.4@46.526,43.198
  Bottom Layer w0.3: v1(32.893,11.684) 32.974,11.684 33.113,11.823 U3.26@36.942,11.823
NetB1_5: B1.5 J10.01 U3.15 | length 53.1
  Top Layer w0.3: 29.592,16.763 29.718,16.637
  Top Layer w0.381: 29.592,16.763 24.46,21.895 J10.01@24.46,34.366 27.762,37.668 43.697,37.668 45.168,39.139 48.746,39.139 49.066,39.458 B1.5@49.066,39.898 ; 29.718,16.637 v1(33.782,16.637)
  Bottom Layer w0.3: v1(33.782,16.637) 33.863,16.637 34.492,17.266 U3.15@34.492,18.273
NetB1_21: B1.21 R6.1 | length 8.1
  Top Layer w0.3: R6.1@34.671,55.753 34.671,55.578 35.021,55.228 35.196,55.228 35.408,55.016 39.788,55.016 40.698,54.106 41.086,54.106 41.446,53.746 B1.21@41.446,53.358
NetC9_1: C9.1 D1.1 R4.2 R5.2 U2.1 | length 0.7
  Bottom Layer w0.381: D1.1@13.97,67.945 D1.1@14.453,67.945 ; R4.2@13.981,63.373 R4.2@13.981,63.548
NetC12_1: C12.1 U3.5 X1.2 | length 5.4
  Bottom Layer w0.3: C12.1@28.753,23.357 28.818,23.292 X1.2@28.818,20.955 28.818,20.425 29.492,19.751 U3.5@29.492,18.273
NetC13_1: C13.1 U3.6 X1.1 | length 5.4
  Bottom Layer w0.3: U3.6@29.992,18.273 29.992,19.799 30.618,20.425 X1.1@30.618,20.955
  Bottom Layer w0.381: X1.1@30.618,20.955 30.618,23.216 C13.1@30.759,23.357
NetC14_1: C14.1 J8.04 R33.1 SW1.2 U3.7 U8.1 | length 98.5
  Top Layer w0.3: J8.04@15.748,3.251 17.983,1.016 63.362,1.016 66.167,3.821 v1(66.167,8.23)
  Bottom Layer w0.3: R33.1@5.563,1.934 14.431,1.934 J8.04@15.748,3.251 15.748,4.951 16.732,5.935 17.125,5.935 17.375,6.185 SW1.2@17.375,6.579 ; C14.1@14.995,6.338 17.135,6.338 SW1.2@17.375,6.579 ; U3.7@30.492,18.273 30.492,17.585 30.442,17.535 30.442,17.399 29.083,16.04 29.083,11.04 26.416,8.373 18.279,8.373 17.573,7.667 17.573,6.776 SW1.2@17.375,6.579 ; v1(66.167,8.23) 66.167,8.311 66.622,8.766 66.622,9.573 66.777,9.728 U8.1@67.259,9.728
NetC15_1: C15.1 J10.03 R7.2 R24.2 U3.21 | length 60.8
  Top Layer w0.3: J10.03@19.431,34.366 19.431,22.987 28.981,13.437 v1(32.055,13.437) ; R24.2@22.697,54.701 22.733,54.737 24.579,54.737 25.098,54.218 R7.2@25.273,54.218 25.273,52.694 25.03,52.451 24.892,52.313 v1(24.892,49.276)
  Bottom Layer w0.3: J10.03@19.38,34.366 24.892,39.878 v1(24.892,49.276) ; v1(32.055,13.437) 34.519,13.437 35.405,14.323 38.343,14.323 39.005,13.66 C15.1@39.005,13.489
NetC16_1: C16.1 U3.30 | length 3.8
  Bottom Layer w0.3: U3.30@36.942,9.823 39.947,9.823 40.375,9.395 C16.1@40.375,9.22